# Altium PCB Terra.PcbDoc (part 4 of 7) (continued)
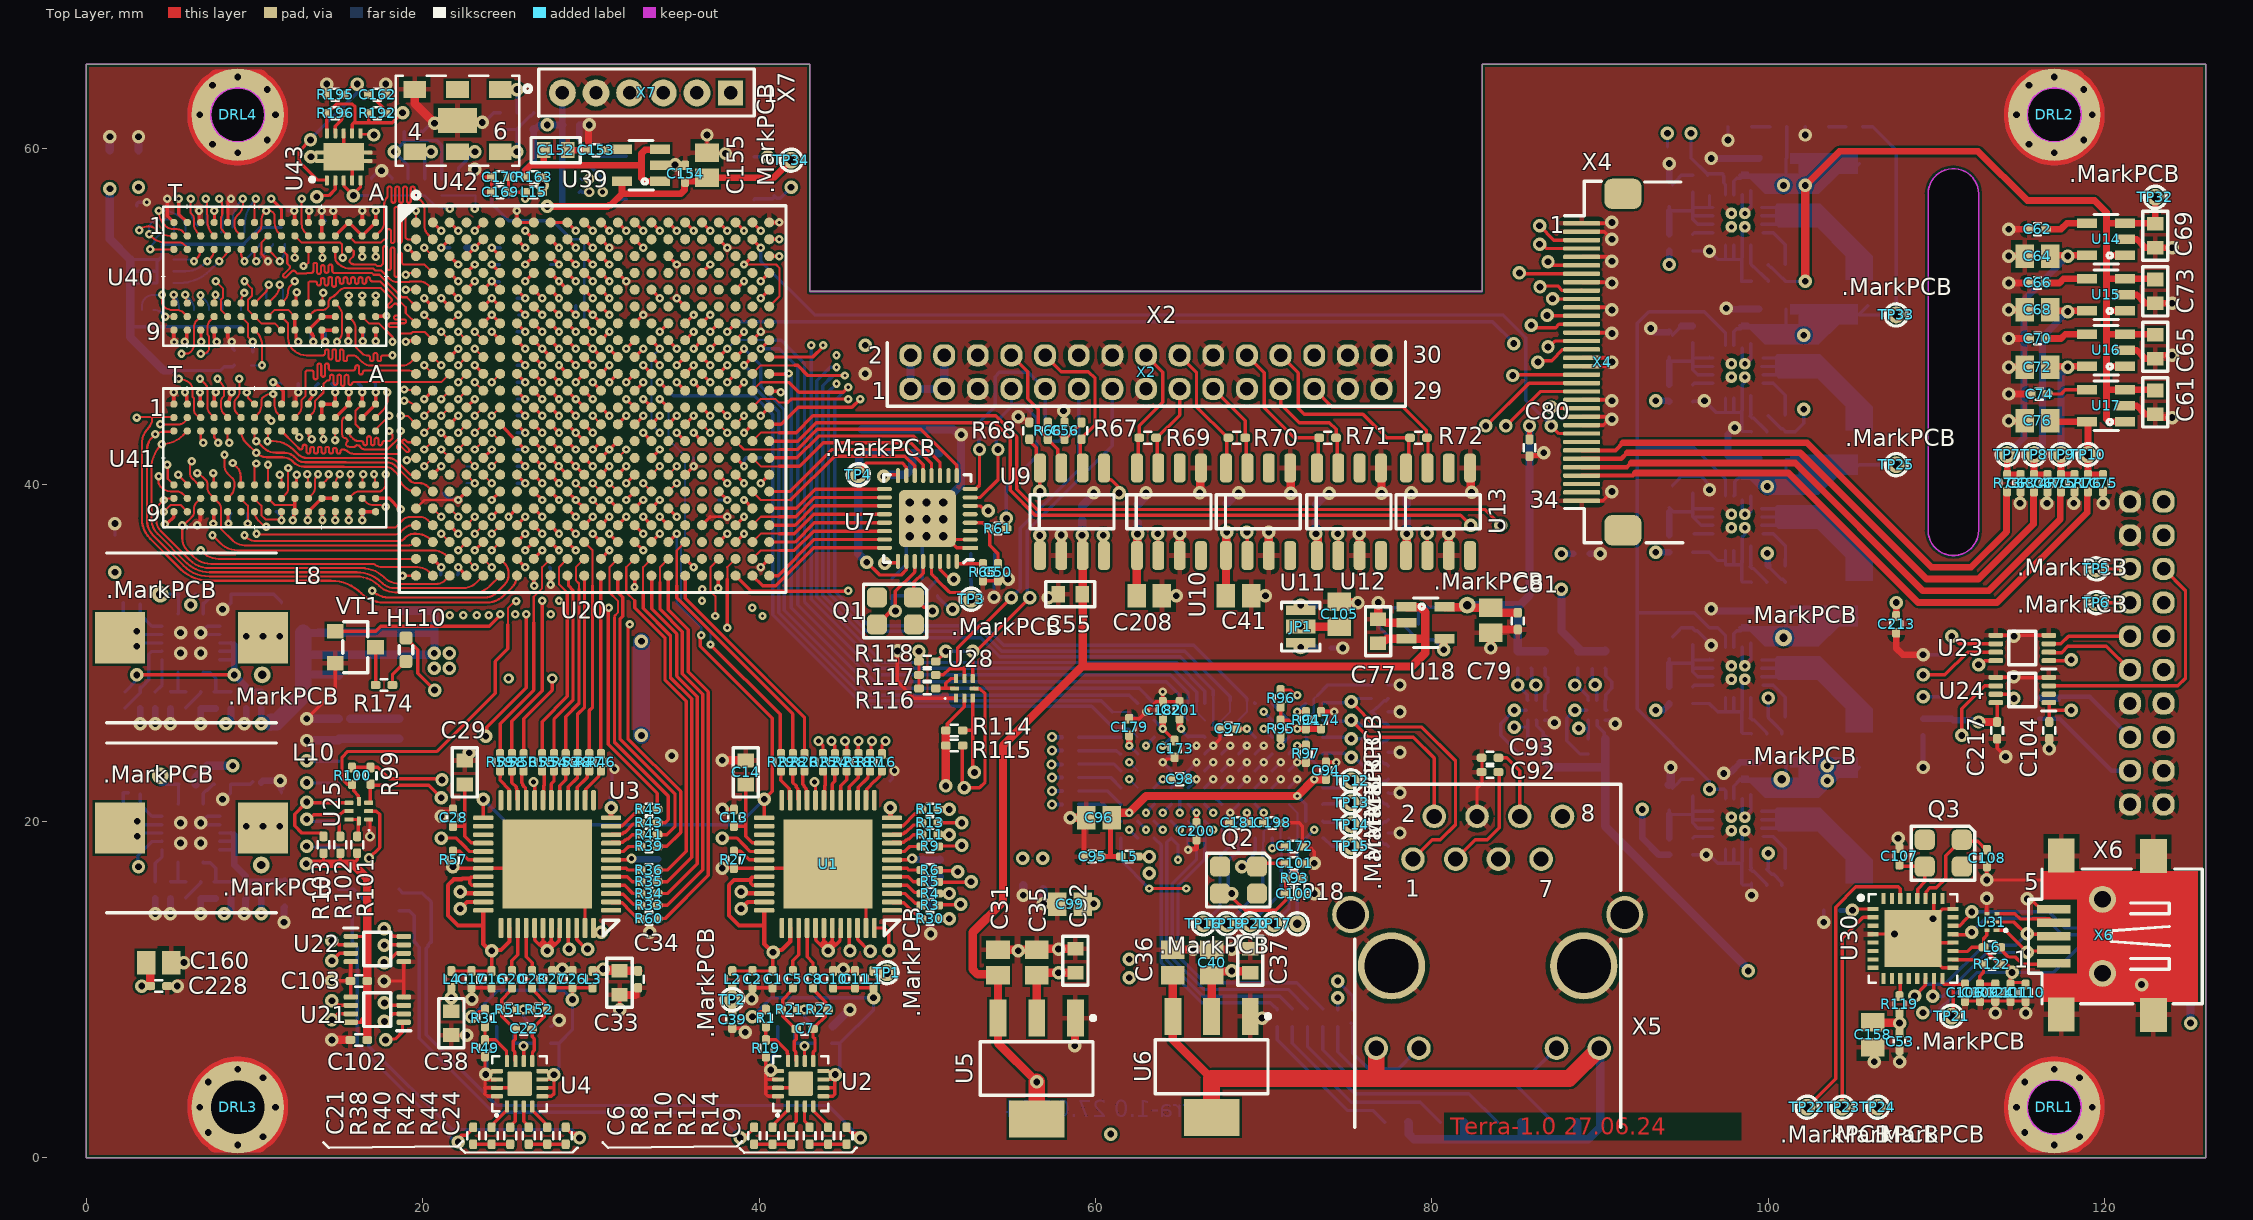
[diagram p0: Top Layer view]
## Nets (pads, with @x,y where several pads share a name; then routed paths per layer and width w, separated by ;. In a path a pad name is that pad's centre, name@x,y a point inside that pad or via, vN(x,y) a via of type N, cw(c..) or ccw(c..) an arc to the next point about the centre after c; other vN are vias at no path point) (continued)
DDR3_D6: U20.C2 U40.G2 | length 12.8
  Top Layer w0.12: U40.G2@12.4,54.8 12.8,54.4 13.01,54.4 15.1,54.4 15.2,54.3 15.2,54.19 ; v1@15.2,53.65 15.2,54.19
  Top Layer w0.125: v1(20.1,54.1) U20.C2@20.6,53.6
  Int1 (Sign) w0.12: v1(15.242,53.5) v1@15.242,53.592 ; v1@15.242,53.592 cw(c16.214,53.592) 15.527,54.28 cw(c16.301,53.506) 16.301,54.6 16.42,54.6 16.48,54.6 ccw(c16.48,54.72) 16.6,54.72 16.6,54.911 cw(c16.71,54.911) 16.82,54.911 16.82,54.496 ccw(c16.93,54.496) 17.04,54.496 17.04,54.911 cw(c17.15,54.911) 17.26,54.911 17.26,54.496 ccw(c17.37,54.496) 17.48,54.496 17.48,54.911 cw(c17.59,54.911) 17.7,54.911 17.7,54.72 ccw(c17.82,54.72) 17.82,54.6 18.4,54.6 19.2,54.6 cw(c19.2,53.634) 19.883,54.317 v1(20.1,54.1)
DDR3_D7: U20.G2 U40.H7 | length 13
  Top Layer w0.125: U40.H7@11.6,50.817 U40.H7@11.6,50.8 11.788,50.988 ccw(c11.276,51.5) 12,51.5 cw(c12.483,51.5) 12.141,51.841 v1(12.4,52.1) ; v1(20.1,50.1) U20.G2@20.6,49.6
  Int1 (Sign) w0.125: v1(12.4,52.1) 13.259,52.1 cw(c13.259,51.759) 13.5,52 ccw(c13.633,52.133) 13.633,51.945 16.967,51.945 cw(c16.967,50.767) 17.23,51.915 cw(c16.967,50.767) 17.748,51.648 cw(c16.967,50.767) 17.794,51.606 ccw(c17.883,51.694) 17.971,51.606 18.046,51.681 cw(c18.126,51.602) 18.206,51.681 cw(c18.126,51.602) 18.206,51.522 17.977,51.293 ccw(c18.056,51.214) 17.977,51.134 ccw(c18.056,51.214) 18.136,51.134 18.365,51.363 cw(c18.444,51.284) 18.524,51.363 cw(c18.444,51.284) 18.524,51.204 18.295,50.975 ccw(c18.374,50.895) 18.295,50.816 ccw(c18.374,50.895) 18.454,50.816 18.683,51.045 cw(c18.762,50.965) 18.842,51.045 cw(c18.762,50.965) 18.842,50.886 18.766,50.81 ccw(c18.855,50.722) 18.766,50.634 18.956,50.444 19,50.4 19.088,50.312 ccw(c19.6,50.824) 19.1,50.3 ccw(c19.6,50.824) 19.6,50.1 v1(20.1,50.1)
DDR3_D8: U20.H3 U40.D7 | length 10.8
  Top Layer w0.12: U40.D7@14.8,50.8 14.988,50.612 cw(c14.476,50.1) 15.2,50.1 15.2,49.1 cw(c14.476,49.1) 15.083,48.705 cw(c14.476,49.1) 15.06,48.672 cw(c14.476,49.1) 14.988,48.588 v1(14.9,48.5) v1@14.97,48.43
  Top Layer w0.125: v1(21.1,49.1) U20.H3@21.6,48.6
  Int4(Sign) w0.125: v1(14.9,48.5) 14.971,48.571 14.971,48.798 15.149,48.975 15.371,49.197 15.4,49.197 15.463,49.197 ccw(c15.463,49.322) 15.588,49.322 cw(c15.7,49.323) 15.7,49.435 cw(c15.7,49.323) 15.813,49.323 15.813,49.187 ccw(c15.925,49.187) 15.925,49.075 ccw(c15.925,49.187) 16.038,49.187 16.038,49.323 cw(c16.15,49.323) 16.15,49.435 cw(c16.15,49.323) 16.263,49.323 ccw(c16.388,49.322) 16.388,49.197 17.007,49.197 20.839,49.197 20.865,49.172 21.028,49.172 v1(21.1,49.1)
DDR3_D9: U20.D2 U40.C3 | length 13.8
  Top Layer w0.125: U40.C3@15.6,54 U40.C3@15.659,54 ; U20.D2@20.6,52.6 20.209,52.991 20.108,53.092 18.896,53.092 cw(c18.896,53.217) 18.771,53.217 18.771,53.69 ccw(c18.659,53.69) 18.659,53.803 ccw(c18.659,53.69) 18.546,53.69 18.546,52.473 cw(c18.434,52.473) 18.434,52.361 cw(c18.434,52.473) 18.321,52.473 18.321,54.006 ccw(c18.209,54.006) 18.209,54.118 ccw(c18.209,54.006) 18.096,54.006 18.096,52.884 cw(c17.984,52.884) 17.984,52.771 cw(c17.984,52.884) 17.871,52.884 17.871,54.082 ccw(c17.759,54.082) 17.759,54.194 ccw(c17.759,54.082) 17.646,54.082 17.646,53.198 cw(c17.521,53.198) 17.61,53.11 17.5,53 17.297,53 17.288,53 17.178,53.11 15.917,53.11 cw(c15.917,53.417) 15.7,53.2 15.671,53.229 cw(c15.774,53.3) 15.657,53.344 ccw(c15.242,53.5) 15.669,53.381 15.838,53.55 ccw(c15.688,53.7) 15.9,53.7 15.9,53.9 ; U40.C3@15.659,54 cw(c15.659,53.659) 15.9,53.9 ; U40.C3@15.659,54 cw(c15.659,53.659) 15.9,53.9
DDR3_D10: U20.K4 U40.C8 | length 10.8
  Top Layer w0.12: 16,49.3 16,49.01 16,48.341 ccw(c16.341,48.341) 16.1,48.1 16.387,47.813 ccw(c16.66,48.087) 16.4,47.801 ccw(c16.66,48.087) 16.46,47.756 16.66,47.7 16.74,47.7 cw(c16.74,47.58) 16.86,47.58 16.86,47.472 ccw(c16.97,47.472) 17.08,47.472 17.08,47.737 cw(c17.19,47.737) 17.3,47.737 17.3,47.46 ccw(c17.41,47.46) 17.52,47.46 17.52,47.58 cw(c17.64,47.58) 17.64,47.7 v1(18.2,47.7)
  Top Layer w0.125: U40.C8@15.6,50 15.8,49.8 cw(c15.317,49.317) 16,49.317 16,49.3 ; v1(22.1,46.1) U20.K4@22.6,46.6
  Int4(Sign) w0.12: v1(18.2,47.7) 18.715,47.185 ccw(c20,48.469) 19.84,46.66 ccw(c20,48.469) 20,46.653 21.547,46.653 v1(22.1,46.1)
DDR3_D11: U20.B1 U40.C2 | length 13.4
  Top Layer w0.12: U40.C2@15.6,54.8 16,54.4 17.5,54.4 17.7,54.6 17.76,54.6 ccw(c17.76,54.72) 17.88,54.72 17.88,55.096 cw(c17.99,55.096) 18.1,55.096 18.1,54.481 ccw(c18.21,54.481) 18.32,54.481 18.32,56.407 cw(c18.43,56.407) 18.54,56.407 18.54,54.492 ccw(c18.65,54.492) 18.76,54.492 18.76,56.406 cw(c18.87,56.406) 18.98,56.406 18.98,54.72 ccw(c19.1,54.72) 19.1,54.6 19.5,54.6 U20.B1@19.6,54.6
DDR3_D12: U20.H4 U40.A7 | length 10.9
  Top Layer w0.125: U40.A7@17.2,50.8 v1(17.2,51.257) ; v1(22.1,49.1) U20.H4@22.6,48.6
  Int4(Sign) w0.125: v1(17.2,51.257) 17.301,51.257 17.415,51.144 17.444,51.144 17.456,51.144 17.494,51.106 ccw(c17.583,51.194) 17.671,51.106 17.754,51.189 cw(c17.833,51.109) 17.913,51.189 cw(c17.833,51.109) 17.913,51.029 17.661,50.778 ccw(c17.74,50.698) 17.661,50.618 ccw(c17.74,50.698) 17.82,50.618 18.072,50.87 cw(c18.152,50.791) 18.231,50.87 cw(c18.152,50.791) 18.231,50.711 18.102,50.583 ccw(c18.182,50.503) 18.102,50.423 ccw(c18.182,50.503) 18.261,50.423 18.39,50.552 cw(c18.47,50.473) 18.549,50.552 cw(c18.47,50.473) 18.549,50.393 18.37,50.213 ccw(c18.449,50.134) 18.37,50.054 ccw(c18.449,50.134) 18.529,50.054 18.708,50.234 cw(c18.788,50.154) 18.867,50.234 cw(c18.788,50.154) 18.867,50.075 18.616,49.823 ccw(c18.695,49.743) 18.616,49.664 ccw(c18.695,49.743) 18.775,49.664 19.027,49.916 cw(c19.106,49.836) 19.186,49.916 cw(c19.106,49.836) 19.186,49.757 19.103,49.674 ccw(c19.191,49.586) 19.103,49.497 19.148,49.452 19.653,49.452 20,49.452 ccw(c20,49.82) 20.26,49.56 cw(c20.598,49.223) 20.598,49.7 20.651,49.7 cw(c20.651,47.651) 21.284,49.6 cw(c20.651,47.651) v1(22.1,49.1)
DDR3_D13: U20.B2 U40.A2 | length 13.5
  Top Layer w0.13: U40.A2@17.2,54.8 17.488,55.088 ; 17.488,55.088 ccw(c16.976,55.6) 17.7,55.6 17.7,56.623 cw(c18.417,56.623) 17.809,57.003 cw(c18.417,56.623) 17.91,57.13 17.91,57.619 cw(c18.025,57.619) 18.025,57.734 cw(c18.025,57.619) 18.14,57.619 18.14,56.885 ccw(c18.255,56.885) 18.255,56.77 ccw(c18.255,56.885) 18.37,56.885 18.37,57.619 cw(c18.485,57.619) 18.485,57.734 cw(c18.485,57.619) 18.6,57.619 18.6,56.885 ccw(c18.715,56.885) 18.715,56.77 ccw(c18.715,56.885) 18.83,56.885 18.83,57.619 cw(c18.945,57.619) 18.945,57.734 cw(c18.945,57.619) 19.06,57.619 19.06,56.885 ccw(c19.175,56.885) 19.175,56.77 ccw(c19.175,56.885) 19.29,56.885 19.29,57.619 cw(c19.405,57.619) 19.405,57.734 cw(c19.405,57.619) 19.52,57.619 19.52,57.13 ccw(c19.65,57.13) 19.65,57 19.659,57 cw(c19.659,56.659) 19.9,56.9 cw(c19.417,56.417) 20.1,56.417 20.1,55.4 ccw(c20.824,55.4) 20.312,54.888 U20.B2@20.6,54.6
DDR3_D14: U20.J5 U40.B8 | length 10.9
  Top Layer w0.12: U40.B8@16.4,50 16.8,49.6 17.01,49.6 17.39,49.6 18.2,48.79 v1(18.2,48.5)
  Top Layer w0.125: v3(23.1,48.1) U20.J5@23.6,47.6
  Int4(Sign) w0.125: v1(18.2,48.5) 18.531,48.831 cw(c18.8,48.562) 18.8,48.942 19.758,48.942 20.1,48.6 20.163,48.6 ccw(c20.163,48.725) 20.288,48.725 20.288,48.83 cw(c20.4,48.83) 20.4,48.942 cw(c20.4,48.83) 20.513,48.83 20.513,48.382 ccw(c20.625,48.382) 20.625,48.27 ccw(c20.625,48.382) 20.738,48.382 20.738,48.545 cw(c20.85,48.545) 20.85,48.657 cw(c20.85,48.545) 20.963,48.545 20.963,48.382 ccw(c21.075,48.382) 21.075,48.27 ccw(c21.075,48.382) 21.188,48.382 21.188,48.545 cw(c21.3,48.545) 21.3,48.657 cw(c21.3,48.545) 21.413,48.545 21.413,48.382 ccw(c21.525,48.382) 21.525,48.27 ccw(c21.525,48.382) 21.638,48.382 21.638,48.475 cw(c21.763,48.475) 21.763,48.6 22.6,48.6 v3(23.1,48.1)
DDR3_D15: U20.G3 U40.A3 | length 12.9
  Top Layer w0.125: U40.A3@17.2,54 17.201,53.999 17.201,53.553 v1(17.203,53.552) ; U20.G3@21.6,49.6 v1(22.1,50.1)
  Int1 (Sign) w0.125: v1(17.203,53.552) 17.324,53.572 17.432,53.572 17.461,53.6 19.8,53.6 19.9,53.5 19.944,53.456 ccw(c20.033,53.544) 20.121,53.456 20.513,53.848 cw(c20.592,53.768) 20.672,53.848 cw(c20.592,53.768) 20.672,53.689 20.132,53.149 ccw(c20.212,53.07) 20.132,52.99 ccw(c20.212,53.07) 20.292,52.99 20.831,53.529 cw(c20.911,53.45) 20.99,53.529 cw(c20.911,53.45) 20.99,53.37 20.451,52.831 ccw(c20.53,52.751) 20.451,52.672 ccw(c20.53,52.751) 20.61,52.672 21.069,53.131 cw(c21.148,53.051) 21.228,53.131 cw(c21.148,53.051) 21.228,52.972 20.916,52.66 ccw(c21.005,52.572) 20.916,52.484 21.2,52.2 21.2,52.1 21.2,51.616 21.273,51.543 21.283,51.543 21.542,51.283 21.542,50.658 v1(22.1,50.1)
DDR3_D16: U20.J4 U41.E3 | length 12.9
  Top Layer w0.125: U41.E3@14,43.2 14.05,43.15 14.05,42.75 v1(14.1,42.7) ; v3(22.1,47.1) U20.J4@22.6,47.6
  Int1 (Sign) w0.125: v1(14.1,42.7) 15.943,44.543 16,44.543 16.063,44.543 ccw(c16.063,44.668) 16.188,44.668 16.188,44.836 cw(c16.3,44.836) 16.3,44.949 cw(c16.3,44.836) 16.413,44.836 16.413,44.467 ccw(c16.525,44.467) 16.525,44.354 ccw(c16.525,44.467) 16.638,44.467 16.638,44.836 cw(c16.75,44.836) 16.75,44.949 cw(c16.75,44.836) 16.863,44.836 16.863,44.668 ccw(c16.988,44.668) 16.988,44.543 17.602,44.543 19.037,44.543 ccw(c19.037,45.039) 19.069,44.544 ccw(c19.037,45.039) 19.388,44.688 ccw(c18.876,45.2) 19.6,45.2 19.6,45.3 cw(c20.324,45.3) 19.812,45.812 ; 19.812,45.812 19.9,45.9 cw(c20.624,45.176) 20.624,46.2 20.8,46.2 ccw(c20.8,47.166) 21.482,46.482 ; 21.483,46.483 v3(22.1,47.1)
DDR3_D17: U20.P2 U41.F7 | length 11.1
  Top Layer w0.125: v1(13.14,40.635) 13.17,40.605 13.17,40.03 U41.F7@13.2,40 ; v1(20.1,42.1) U20.P2@20.6,42.6
  Int4(Sign) w0.125: v1(13.14,40.635) 13.14,40.855 cw(c13.345,40.855) 13.2,41 cw(c13.441,40.759) 13.441,41.1 17.193,41.1 17.333,41.1 ccw(c17.333,41.225) 17.421,41.313 17.388,41.347 cw(c17.467,41.426) 17.388,41.506 cw(c17.467,41.426) 17.547,41.506 17.777,41.276 ccw(c17.856,41.355) 17.936,41.276 ccw(c17.856,41.355) 17.936,41.435 17.706,41.665 cw(c17.785,41.745) 17.706,41.824 cw(c17.785,41.745) 17.865,41.824 18.095,41.594 ccw(c18.174,41.674) 18.254,41.594 ccw(c18.174,41.674) 18.254,41.753 18.098,41.909 cw(c18.178,41.988) 18.098,42.068 cw(c18.178,41.988) 18.258,42.068 18.303,42.023 ccw(c18.391,42.111) 18.48,42.023 18.557,42.1 18.825,42.1 v1(20.1,42.1)
DDR3_D18: U20.K3 U41.F2 | length 13.1
  Top Layer w0.12: U41.F2@13.2,44 13.388,44.188 ccw(c12.876,44.7) 13.389,44.189 ccw(c12.876,44.7) 13.6,44.7 13.6,44.99 14.1,45.49 14.1,46 14.3,46.2 14.36,46.2 ccw(c14.36,46.32) 14.48,46.32 14.48,46.437 cw(c14.59,46.437) 14.7,46.437 14.7,46.05 ccw(c14.81,46.05) 14.92,46.05 14.92,46.437 cw(c15.03,46.437) 15.14,46.437 15.14,45.992 ccw(c15.25,45.992) 15.36,45.992 15.36,46.437 cw(c15.47,46.437) 15.58,46.437 15.58,46.05 ccw(c15.69,46.05) 15.8,46.05 cw(c15.943,45.928) 15.954,46.116 16.056,46.11 16.116,46.11 21.11,46.11 U20.K3@21.6,46.6
DDR3_D19: U20.N4 U41.F8 | length 12.9
  Top Layer w0.12: U41.F8@13.2,39.2 13.4,39.4 ccw(c12.917,39.883) 13.6,39.883 13.6,40.225 cw(c14.18,40.225) v1(13.77,40.635)
  Top Layer w0.125: v1(22.1,43.1) U20.N4@22.6,43.6
  Int1 (Sign) w0.125: v1(13.77,40.635) 14.08,40.945 cw(c14.4,40.625) 14.4,41.078 17.971,41.078 cw(c17.971,40.471) 18.4,40.9 18.588,40.712 ccw(c19.1,41.224) 19.1,40.5 20.817,40.5 ccw(c20.817,41.183) 21.3,40.7 ; 21.324,40.718 ccw(c21.1,41.1) 21.489,40.889 ccw(c21.124,41.195) 21.6,41.195 21.6,42.375 cw(c22.143,42.375) 21.759,42.759 ; 21.759,42.759 v1(22.1,43.1)
DDR3_D20: U20.P1 U41.H3 | length 13.7
  Top Layer w0.125: U41.H3@11.6,43.2 12.411,42.389 12.7,42.1 12.737,42.1 ccw(c12.737,42.225) 12.862,42.225 12.862,42.274 cw(c12.975,42.274) 12.975,42.387 cw(c12.975,42.274) 13.087,42.274 13.087,41.975 ccw(c13.2,41.975) 13.2,41.862 ccw(c13.2,41.975) 13.312,41.975 13.312,42.145 cw(c13.425,42.145) 13.425,42.257 cw(c13.425,42.145) 13.537,42.145 13.537,41.97 ccw(c13.65,41.97) 13.65,41.858 ccw(c13.65,41.97) 13.762,41.97 13.762,42.145 cw(c13.875,42.145) 13.875,42.257 cw(c13.875,42.145) 13.987,42.145 13.987,41.97 ccw(c14.1,41.97) 14.1,41.858 ccw(c14.1,41.97) 14.212,41.97 14.212,42.145 cw(c14.325,42.145) 14.325,42.257 cw(c14.325,42.145) 14.437,42.145 14.437,41.97 ccw(c14.55,41.97) 14.55,41.858 ccw(c14.55,41.97) 14.662,41.97 14.662,42.088 cw(c14.775,42.088) 14.775,42.2 cw(c14.775,42.088) 14.887,42.088 14.887,41.97 ccw(c15,41.97) 15,41.858 ccw(c15,41.97) 15.112,41.97 15.112,41.975 cw(c15.237,41.975) 15.237,42.1 15.3,42.1 cw(c15.3,41.975) 15.354,42.088 15.465,42.035 cw(c15.412,41.922) 15.5,42.01 ccw(c15.9,42.411) 15.9,41.845 18.545,41.845 18.552,41.852 18.596,41.896 ccw(c18.508,41.984) 18.596,42.073 18.494,42.174 cw(c18.574,42.254) 18.494,42.334 cw(c18.574,42.254) 18.653,42.334 19.01,41.977 ccw(c19.09,42.056) 19.169,41.977 ccw(c19.09,42.056) 19.169,42.136 18.812,42.493 cw(c18.892,42.572) 18.812,42.652 cw(c18.892,42.572) 18.971,42.652 19.056,42.567 ccw(c19.145,42.655) 19.145,42.53 19.53,42.53 19.554,42.554 U20.P1@19.6,42.6
DDR3_D21: U20.R1 U41.H8 | length 13
  Top Layer w0.12: U41.H8@11.6,39.2 11.852,39.452 ccw(c11.494,39.81) 12,39.81 v1(12,41)
  Top Layer w0.125: v1(19.053,41.455) 19.125,41.526 19.513,41.526 U20.R1@19.594,41.606
  Int1 (Sign) w0.12: v1(12,41) cw(c13.269,39.73) 12.305,41.245 cw(c13.269,39.73) 13.269,41.526 13.3,41.526
  Int1 (Sign) w0.125: 13.3,41.526 16.584,41.526 16.647,41.526 ccw(c16.647,41.651) 16.772,41.651 16.772,41.744 cw(c16.884,41.744) 16.884,41.856 cw(c16.884,41.744) 16.997,41.744 16.997,41.445 ccw(c17.109,41.445) 17.109,41.333 ccw(c17.109,41.445) 17.222,41.445 17.222,41.744 cw(c17.334,41.744) 17.334,41.856 cw(c17.334,41.744) 17.447,41.744 17.447,41.445 ccw(c17.559,41.445) 17.559,41.333 ccw(c17.559,41.445) 17.672,41.445 17.672,41.744 cw(c17.784,41.744) 17.784,41.856 cw(c17.784,41.744) 17.897,41.744 17.897,41.445 ccw(c18.009,41.445) 18.009,41.333 ccw(c18.009,41.445) 18.122,41.445 18.122,41.645 cw(c18.234,41.645) 18.234,41.757 cw(c18.234,41.645) 18.347,41.645 18.347,41.401 ccw(c18.459,41.401) 18.459,41.288 ccw(c18.459,41.401) 18.572,41.401 cw(c18.697,41.401) 18.697,41.526 18.943,41.526 19.014,41.455 19.017,41.455 v1(19.053,41.455)
DDR3_D22: U20.K1 U41.G2 | length 13.4
  Top Layer w0.12: U41.G2@12.4,44 12.588,44.188 ccw(c12.076,44.7) 12.8,44.7 12.8,45.049 13.04,45.289 13.04,46.74 13.1,46.8
  Top Layer w0.125: 13.1,46.8 13.388,46.8 cw(c13.388,46.675) 13.513,46.675 13.513,46.384 ccw(c13.625,46.384) 13.625,46.272 ccw(c13.625,46.384) 13.738,46.384 13.738,47.098 cw(c13.85,47.098) 13.85,47.211 cw(c13.85,47.098) 13.963,47.098 13.963,46.539 ccw(c14.075,46.539) 14.075,46.426 ccw(c14.075,46.539) 14.188,46.539 14.188,47.098 cw(c14.3,47.098) 14.3,47.211 cw(c14.3,47.098) 14.413,47.098 14.413,46.925 ccw(c14.538,46.925) 14.538,46.8 15.863,46.8 ccw(c15.863,46.925) 15.988,46.925 15.988,46.998 cw(c16.1,46.998) 16.1,47.111 cw(c16.1,46.998) 16.213,46.998 16.213,46.675 ccw(c16.325,46.675) 16.325,46.562 ccw(c16.325,46.675) 16.438,46.675 cw(c16.563,46.675) 16.563,46.8 17.41,46.8 19.117,46.8 cw(c19.117,46.117) 19.32,46.769 cw(c19.117,46.117) U20.K1@19.6,46.6
DDR3_D23: U20.N2 U41.H7 | length 11.6
  Top Layer w0.125: v1(11.5,40.6) cw(c11.258,40.358) 11.6,40.358 U41.H7@11.6,40 ; v1(20.1,43.1) U20.N2@20.6,43.6
  Int4(Sign) w0.12: v1(11.5,40.6) 11.5,40.682 cw(c12.826,40.682) 11.888,41.62 cw(c12.566,40.434) 12.057,41.702 ; 11.8,41.5 cw(c12.766,40.534) 12.057,41.702 ; v1(20.1,43.1) 19.6,42.6 cw(c19.117,43.083) 19.117,42.4 16.119,42.4 ccw(c16.119,41.569) 15.661,42.263 ; 12.057,41.702 cw(c12.766,40.534) 12.766,41.9 14.734,41.9 ccw(c14.734,43.266) 15.531,42.157 ; 15.531,42.157 cw(c16.119,41.569) 15.661,42.263 ; 15.531,42.157 ccw(c14.734,43.266) 15.661,42.263
DDR3_D24: U20.N5 U41.D7 | length 12.6
  Top Layer w0.125: U41.D7@14.8,40 cw(c15.681,40) 15.058,40.623 v1(15.07,40.635) ; v1(23.1,43.1) U20.N5@23.6,43.6
  Int1 (Sign) w0.125: v1(15.07,40.635) 15.07,40.63 15.545,40.155 21.255,40.155 21.399,40.299 21.602,40.502 cw(c21.69,40.413) 21.778,40.502 21.866,40.414 ccw(c21.946,40.493) 22.025,40.414 ccw(c21.946,40.493) 22.025,40.573 21.885,40.713 cw(c21.965,40.792) 21.885,40.872 cw(c21.965,40.792) 22.045,40.872 22.185,40.732 ccw(c22.264,40.812) 22.344,40.732 ccw(c22.264,40.812) 22.344,40.891 22.256,40.979 cw(c22.344,41.067) 22.256,41.156 22.3,41.2 22.543,41.443 ccw(c22.343,41.642) 22.625,41.642 22.625,42.35 cw(c23.289,42.35) 22.819,42.819 v1(23.1,43.1)
DDR3_D25: U20.M2 U41.C3 | length 10.9
  Top Layer w0.125: U41.C3@15.618,43.182 U41.C3@15.6,43.2 ccw(c16.083,43.2) 15.618,43.068 ccw(c16.083,43.2) 15.741,42.859 15.859,42.741 ccw(c16.199,43.08) 15.991,42.647 ccw(c16.199,43.08) 16.054,42.622 16.199,42.6 16.341,42.6 cw(c16.341,42.475) 16.466,42.475 16.466,42.467 ccw(c16.579,42.467) 16.579,42.355 ccw(c16.579,42.467) 16.691,42.467 16.691,42.777 cw(c16.804,42.777) 16.804,42.89 cw(c16.804,42.777) 16.916,42.777 16.916,42.467 ccw(c17.029,42.467) 17.029,42.355 ccw(c17.029,42.467) 17.141,42.467 17.141,42.685 cw(c17.254,42.685) 17.254,42.798 cw(c17.254,42.685) 17.366,42.685 17.366,42.467 ccw(c17.479,42.467) 17.479,42.355 ccw(c17.479,42.467) 17.591,42.467 17.591,42.475 cw(c17.716,42.475) 17.716,42.6 17.988,42.6 18.037,42.61 ccw(c17.988,42.725) 18.076,42.637 18.1,42.661 18.17,42.73 ccw(c18.099,42.801) 18.199,42.801 18.199,42.9 ccw(c17.956,42.9) 18.128,43.072 v1(18,43.2) ; v1@20.108,44.107 U20.M2@20.6,44.6
  Int4(Sign) w0.125: v1(18,43.2) 18.5,42.7 19.3,42.7 19.388,42.788 19.4,42.8 19.4,42.851 ccw(c19.275,42.851) 19.275,42.976 19.255,42.976 cw(c19.255,43.088) 19.143,43.088 cw(c19.255,43.088) 19.255,43.201 19.545,43.201 ccw(c19.545,43.313) 19.657,43.313 ccw(c19.545,43.313) 19.545,43.426 19.212,43.426 cw(c19.212,43.538) 19.1,43.538 cw(c19.212,43.538) 19.212,43.651 19.275,43.651 ccw(c19.275,43.776) 19.4,43.776 19.4,44.027 19.465,44.092 19.473,44.1 v1(20.1,44.1)
DDR3_D26: U20.L3 U41.C8 | length 10.9
  Top Layer w0.12: U41.C8@15.6,39.2 15.859,39.459 cw(c16.2,39.117) 16.2,39.6 17.4,39.6 ccw(c17.4,39.841) 17.571,39.671 17.7,39.8 ccw(c17.459,40.041) 17.8,40.041 v1(17.8,40.622)
  Top Layer w0.125: v1(21.1,45.1) U20.L3@21.6,45.6
  Int4(Sign) w0.12: v1(17.8,40.622) 18.02,40.843 cw(c18.4,40.463) 18.4,41 18.422,41 18.98,41 cw(c18.98,40.88) 19.1,40.88 19.1,40.85 ccw(c19.21,40.85) 19.32,40.85 19.32,40.88 cw(c19.44,40.88) 19.44,41 19.459,41 ccw(c19.459,41.341) 19.5,41.003 ccw(c19.459,41.341) 19.593,41.028 ccw(c19.546,41.138) 19.66,41.1 cw(c20.1,41.1) 19.698,41.279 cw(c19.744,41.279) 19.706,41.305 cw(c19.744,41.279) 19.712,41.312 ccw(c19.621,41.391) 19.724,41.328 cw(c20.1,41.1) 19.861,41.469 ; 19.862,41.47 cw(c20.1,41.1) 19.871,41.476 ccw(c19.808,41.578) 19.894,41.494 19.962,41.562 ; 20,41.6 19.962,41.562 ; 20.411,41.788 cw(c20.1,42.1) 20.321,41.719 ccw(c20.381,41.616) 20.305,41.709 cw(c20,42.083) 20.026,41.601 ccw(c20.185,41.268) 19.962,41.562 ; 20.411,41.789 ccw(c20.1,42.1) 20.476,41.871 cw(c20.578,41.808) 20.493,41.893 20.5,41.9 ccw(c19.955,42.245) 20.6,42.245 20.6,44.1 cw(c21.669,44.1) 20.913,44.856 21.1,45.043 v1(21.1,45.1)
DDR3_D27: U20.L5 U41.C2 | length 12.9
  Top Layer w0.12: U41.C2@15.6,44 15.3,44 ccw(c15.541,43.759) 15.2,43.759 15.2,43.041 ccw(c15.541,43.041) 15.3,42.8 cw(c15.3,42.559) 15.471,42.729 cw(c15.244,42.503) 15.544,42.617 ccw(c15.79,42.371) 15.442,42.371 15.442,42.358 ccw(c15.7,42.617) 15.645,42.256 ccw(c15.7,42.617) 15.7,42.251 15.882,42.251 ccw(c15.882,42.418) 15.899,42.252 ccw(c15.882,42.418) 16,42.3 16.027,42.327 cw(c16.112,42.242) 16.085,42.359 16.093,42.361 16.16,42.35 ccw(c16.199,42.6) 16.18,42.348 cw(c16.171,42.229) 16.2,42.345
  Top Layer w0.125: 16.2,42.345 cw(c16.146,42.232) 16.256,42.292 ccw(c16.579,42.467) 16.314,42.213 ccw(c16.579,42.467) 16.374,42.163 ccw(c16.579,42.467) 16.561,42.1 ccw(c16.579,42.467) 16.586,42.1 ; 16.586,42.1 ccw(c16.593,42.492) 16.593,42.1 17.9,42.1 18.666,42.866 18.666,43.166 v1(18.7,43.2) ; v1(23.1,46.1) U20.L5@23.6,45.6
  Int1 (Sign) w0.125: v1(18.7,43.2) 19,43.2 ccw(c19,43.588) 19.274,43.313 ; 19.274,43.314 19.33,43.37 ; 19.331,43.37 cw(c19.886,42.814) 19.886,43.6 21.223,43.6 ccw(c21.223,44.027) 21.443,43.661 ccw(c21.065,44.039) 21.6,44.039 21.6,44.05 cw(c22.024,44.05) 21.724,44.35 21.947,44.573 cw(c22.15,44.37) 22.15,44.657 ccw(c22.15,44.977) 22.376,44.751 22.5,44.874 ccw(c22.125,45.25) 22.656,45.25 22.656,45.35 cw(c23.394,45.35) 22.871,45.871 cw(c23.394,45.35) 22.872,45.872 v1(23.1,46.1)
DDR3_D28: U20.M3 U41.A7 | length 10.5
  Top Layer w0.125: v1(17.103,40.622) 17.152,40.574 17.152,40.051 U41.A7@17.2,40.003 ; v1(21.1,44.1) U20.M3@21.6,44.6
  Int4(Sign) w0.12: v1(17.103,40.622) 17.484,40.242 ccw(c17.7,40.458) 17.7,40.153 18.093,40.153 18.153,40.153 ccw(c18.153,40.273) 18.273,40.273 18.273,40.34 cw(c18.383,40.34) 18.493,40.34 18.493,40.263 ccw(c18.603,40.263) 18.713,40.263 18.713,40.34 cw(c18.823,40.34) 18.933,40.34 18.933,40.273 ccw(c19.053,40.273) 19.053,40.153 19.296,40.153 19.853,40.153 19.9,40.2 19.942,40.242 ccw(c19.858,40.327) 19.942,40.412 19.928,40.427 cw(c20.006,40.504) 19.928,40.582 cw(c20.006,40.504) 20.083,40.582 20.098,40.568 ccw(c20.183,40.653) 20.268,40.568 20.467,40.767 20.54,40.84 20.54,41.237 cw(c20.788,41.237) 20.612,41.412 20.713,41.513 cw(c20.924,41.301) 20.924,41.6 21.259,41.6 ccw(c21.259,41.941) 21.5,41.7 ccw(c21.259,41.941) 21.6,41.941 21.6,43.1 ccw(c20.393,43.1) v1@21.247,43.953 ; v1(21.1,44.1) v1@21.246,43.954
DDR3_D29: U20.K6 U41.A2 | length 11
  Top Layer w0.125: U41.A2@17.2,44 17.617,44.417 ccw(c16.934,45.1) 17.9,45.1 v1(17.9,45.5) ; v1(24.1,46.1) U20.K6@24.6,46.6
  Int4(Sign) w0.125: v1@18.05,45.65 v1(17.9,45.5) 17.902,45.5 18.151,45.749 18.195,45.793 ccw(c18.107,45.881) 18.195,45.97 18.113,46.052 cw(c18.193,46.131) 18.113,46.211 cw(c18.193,46.131) 18.273,46.211 18.464,46.019 ccw(c18.544,46.099) 18.623,46.019 ccw(c18.544,46.099) 18.623,46.178 18.432,46.37 cw(c18.511,46.449) 18.432,46.529 cw(c18.511,46.449) 18.591,46.529 18.727,46.393 ccw(c18.815,46.481) 18.863,46.366 18.945,46.4 19.259,46.4 21.1,46.4 21.759,45.741 ccw(c22.1,46.083) 22.1,45.6 23,45.6 ccw(c23,47.049) v1@24.024,46.024 ; v1@24.024,46.024 v1(24.1,46.1)
DDR3_D30: U20.P6 U41.B8 | length 11
  Top Layer w0.12: U41.B8@16.4,39.2 16.6,39 ccw(c17.083,39.483) 17.083,38.8 17.4,38.8 cw(c17.4,38.178) 17.654,38.746 cw(c17.4,38.178) 17.84,38.618 17.8,38.658 v1(17.8,38.7)
  Top Layer w0.125: v1(24.1,43.1) U20.P6@24.6,42.6
  Int4(Sign) w0.125: v1(17.8,38.7) cw(c19.249,37.251) 19.249,39.3 20.576,39.3 ccw(c20.576,40.324) 20.833,39.333 ccw(c20.576,40.324) 21.3,39.6 22.516,40.816 ccw(c22.175,41.158) 22.658,41.158 cw(c23.14,41.158) 22.799,41.499 22.8,41.5 cw(c23.041,41.259) 23.041,41.6 23.259,41.6 ccw(c23.259,41.941) 23.5,41.7 ccw(c23.259,41.941) 23.6,41.941 23.6,42.4 cw(c24.083,42.4) 23.741,42.741 v1(24.1,43.1)
DDR3_D31: U20.M5 U41.A3 | length 10.8
  Top Layer w0.125: U41.A3@17.2,43.2 cw(c17.441,43.2) 17.209,43.266 cw(c17.441,43.2) 17.271,43.371 v3(18,44.1) ; v1(23.1,44.1) U20.M5@23.6,44.6
  Int4(Sign) w0.125: v3(18,44.1) 18.331,44.431 cw(c18.6,44.162) 18.6,44.543 19.261,44.543 ccw(c19.261,44.739) 19.4,44.6 ccw(c19.159,44.841) 19.497,44.797 ccw(c19.159,44.841) 19.5,44.841 19.5,45.627 19.573,45.7 19.608,45.7 19.67,45.7 ccw(c19.67,45.825) 19.795,45.825 19.795,46.022 cw(c19.908,46.022) 19.908,46.135 cw(c19.908,46.022) 20.02,46.022 20.02,45.655 ccw(c20.133,45.655) 20.133,45.542 ccw(c20.133,45.655) 20.245,45.655 20.245,46.022 cw(c20.358,46.022) 20.358,46.135 cw(c20.358,46.022) 20.47,46.022 20.47,45.825 ccw(c20.595,45.825) 20.595,45.7 21.2,45.7 21.259,45.7 cw(c21.259,45.359) 21.303,45.697 cw(c21.259,45.359) 21.5,45.6 cw(c21.379,45.479) 21.55,45.479 21.55,45.062 ccw(c22.062,45.062) 21.7,44.7 ccw(c21.941,44.941) 21.941,44.6 22.3,44.6 cw(c22.3,43.876) 22.812,44.388 v1(23.1,44.1)
DDR3_DM0: U20.H5 U40.E7 | length 12
  Top Layer w0.125: U40.E7@14,50.8 14.044,50.844 14.044,51.367 v1(14.089,51.411) ; v1(23.1,49.1) U20.H5@23.6,48.6
  Int4(Sign) w0.125: v1(14.089,51.411) cw(c15.511,49.989) 14.277,51.577 cw(c15.511,49.989) 15.511,52 16.669,52 cw(c16.669,49.994) 18.087,51.412 18.281,51.219 ccw(c19.775,52.712) 19.775,50.6 22.15,50.6 cw(c22.15,49.652) 22.821,50.322 22.921,50.221 ; 22.922,50.221 cw(c22.49,49.79) 23.043,50.048 cw(c22.49,49.79) 23.1,49.79 v1(23.1,49.1)
DDR3_DM1: U20.E2 U40.D3 | length 7.2
  Top Layer w0.125: U40.D3@14.8,54 14.8,53.5 ccw(c15.242,53.5) 14.946,53.171 ; 14.86,53.277 ccw(c15.242,53.5) 14.946,53.171 ; 18.041,52.241 17.537,52.745 17.183,52.745 17.073,52.855 15.7,52.855 cw(c15.7,53.864) 15.033,53.107 ccw(c14.95,53.014) 15.014,53.121 cw(c15.242,53.5) 14.947,53.171 ; 18.042,52.24 ccw(c18.484,52.684) 18.484,52.057 19.183,52.057 19.218,52.092 19.8,52.092 cw(c19.8,51.35) 20.324,51.876 ; 20.325,51.875 U20.E2@20.6,51.6
DDR3_DM2: U20.M6 U41.E7 | length 16.6
  Top Layer w0.125: U41.E7@14,40 14.234,40.234 ccw(c13.833,40.635) 14.328,40.359 ccw(c13.833,40.635) v1(14.4,40.635) ; v1(24.1,44.1) U20.M6@24.6,44.6
  Int1 (Sign) w0.125: v1@24.1,44 v1(24.1,44.1)
  Int4(Sign) w0.125: v1(14.4,40.635) 16.292,38.791 16.546,38.536 ccw(c17.6,39.59) 16.648,38.443 ccw(c17.6,39.59) 17.6,38.1 18.851,38.1 ccw(c18.851,40.149) 19.006,38.106 ccw(c18.851,40.149) 20.3,38.7 20.394,38.794 cw(c21,38.188) 21,39.045 ccw(c21,39.636) 21.418,39.218 22.638,40.438 cw(c23.03,40.045) 23.03,40.6 23.123,40.6 ccw(c23.123,41.027) 23.425,40.725 23.494,40.794 ccw(c23.238,41.05) 23.6,41.05 cw(c24.024,41.05) 23.724,41.35 ; 23.724,41.35 23.85,41.475 cw(c24.09,41.235) 24.09,41.575 24.234,41.575 ccw(c24.234,41.916) 24.475,41.675 ccw(c24.312,41.838) 24.543,41.838 24.543,43.4 ccw(c23.921,43.4) 24.361,43.839 ; v1(24.1,44.1) 24.36,43.84
DDR3_DM3: U20.L4 U41.D3 | length 9.4
  Top Layer w0.125: v1(14.786,42.643) 14.793,42.649 14.793,43.193 U41.D3@14.8,43.2 ; v1(22.1,45.1) U20.L4@22.6,45.6
  Int1 (Sign) w0.125: v1(14.786,42.643) 15.057,42.913 cw(c16.853,41.117) 15.22,43.062 cw(c16.853,41.117) 16.853,43.657 18.8,43.657 ccw(c18.8,44.176) 19.166,43.809 ; 19.167,43.809 19.715,44.358 ; 19.716,44.358 cw(c20.3,43.773) 20.3,44.6 21.225,44.6 ccw(c21.225,45.538) 21.888,44.875 22.1,45.086 v1(22.1,45.1)
DDR3_DQS0_N: U20.D1 U40.G3 | length 8.3
  Top Layer w0.125: v1(12.4,53.5) U40.G3@12.4,54 ; v1(19,52.5) 18.9,52.6 U20.D1@19.6,52.6
  Int1 (Sign) w0.125: v1(12.4,53.5) 12.412,53.512 13,53.512 cw(c13,53.155) 13.253,53.408 13.891,52.769 ; 13.892,52.769 ccw(c14.3,53.178) 14.3,52.6 18.9,52.6 v1(19,52.5)
DDR3_DQS0_P: U20.E1 U40.F3 | length 8.4
  Top Layer w0.125: v1(12.912,53.012) 12.988,53.012 13,53 13.2,53.2 U40.F3@13.2,54 ; v1(19,51.6) 19,51.643 19.045,51.597 19.598,51.597 U20.E1@19.6,51.6
  Int1 (Sign) w0.125: v1(12.912,53.012) 13.245,52.678 ccw(c14.4,53.833) 14.065,52.235 ccw(c14.4,53.833) 14.4,52.2 17.551,52.2 cw(c17.551,50.151) 17.706,52.194 cw(c17.551,50.151) v1(19,51.6)